# Altium PCB [Ref] STM32H743XIH6_SOM_Bd.PcbDoc (part 2 of 3)
Units mm, origin at the board's own origin, x right, y up, seen from the top; angles counter-clockwise.
Board outline 45 x 69.6 mm, 8 copper layers (L1 (Sig), L2 (GND), L3 (PWR), L4 (Sig), L5 (GND), L6 (Sig), L7 (GND), L8 (Sig)), stack 1.178 mm thick; 147 components, 165 nets, 926 pads, 711 vias.
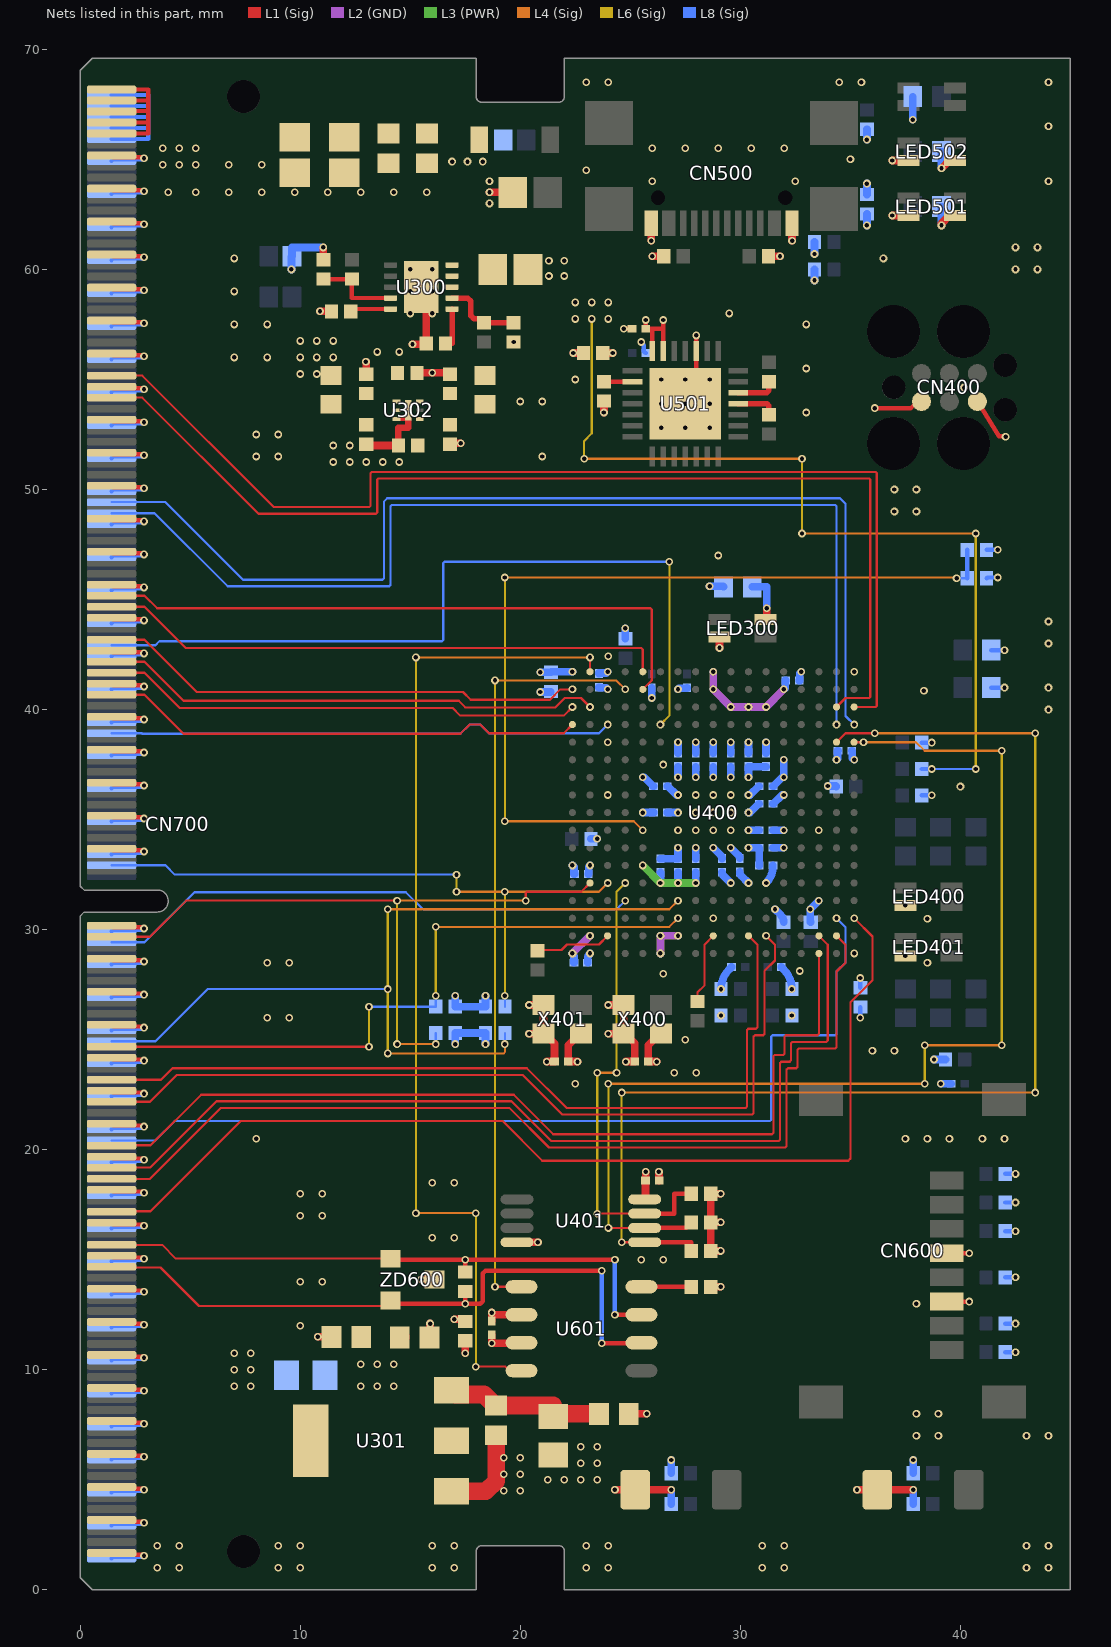
[diagram p8: the nets of this part, all layers, seen from the top]

## Part data
C300 C301 C700 C701: library part CAP_22uF/25V/2012, "Ceramic CAP_22uF/25V/2012", JLCPCB Part Type="Basic Part", LCSC Part #=C45783
C302 C305: library part CAP_10uF/10V/1608, "Ceramic CAP_10uF/10V/1608", JLCPCB Part Type="Basic Part", LCSC Part #=C19702
C303 C304 C702: library part CAP_100nF/50V/1608, "Ceramic CAP_100nF/50V/1608", JLCPCB Part Type="Basic Part", LCSC Part #=C14663
C306 C307 C308 C311 C312 C402 C403 C500: library part CAP_100nF/16V/1005, "Ceramic CAP_100nF/16V/1005", JLCPCB Part Type="Basic Part", LCSC Part #=C1525
C309 C310 C313 C314 C504 C600 C620 C634: library part CAP_1uF/25V/1005, "Ceramic CAP_1uF/25V/1005", JLCPCB Part Type="Basic Part", LCSC Part #=C52923
C400 C401 C405 C502 C505 C601 C602 C603 C604 C606 C607 C608 C609 C610 C611 C612 C613 C614 C615 C616 C621 C622 C623 C624 C625 C626 C627 C628 C629 C630 C631 C632 C633 C635: library part CAP_100nF/25V/0603, "Ceramic CAP_100nF/25V/0603", JLCPCB Part Type="Extended Part", LCSC Part #=C181047
C404 C501 C503 C605: library part CAP_4.7uF/10V/1005, "10V 4.7uF X5R ±20% 0402  Multilayer Ceramic Capacitors MLCC - SMD/SMT ROHS", JLCPCB Part Type="Basic Part", LCSC Part #=C23733
C617 C618 C619: library part CAP_2.2uF/6.3V/1005, "Ceramic CAP_2.2uF/6.3V/1005", JLCPCB Part Type="Basic Part", LCSC Part #=C12530
C703: library part CAP_10uF/25V/1608, "Ceramic CAP_10uF/25V/1608", JLCPCB Part Type="Basic Part", LCSC Part #=C96446
CN400: library part CON_TC2030-IDC, "Tag-Connect No-Solder SWD Debug Connector DO NOT PLACE", Manufacturer=Tag-Connect, Manufacturer Part Number=TC2030
CN500: library part CON_USB-Type-C, "USB 2.0 5A 1 Surface Mount 16 Female -35℃~+75℃ Type-C SMD  USB Connectors ROHS", JLCPCB Part Type="Extended Part", LCSC Part #=C2977718
CN600: library part CON_MICRO-SD_Socket_TF-102-15, "-25℃~+85℃ 1.6mm Gold Deck MicroSD card (TF card) 260℃ Phosphor coppe Clamshell SMD  SD Card Connectors ROHS", JLCPCB Part Type="Extended Part", LCSC Part #=C266609
CN700: library part CON_EDGE-CONNECTOR_DDR4-SODIMM-260P, "EDGE-CONNECTOR_DDR4-SODIMM-260P", Mating Part Number=2309409-1
D300: library part DIO_B5819W, "40V 600mV@1A 1A SOD-123  Schottky Barrier Diodes (SBD) ROHS", JLCPCB Part Type="Basic Part", LCSC Part #=C8598
LED300 LED500: library part LED_MHT170RGBCT(GREEN), "Colorless transparence -30℃~+85℃ Positive post Common anode RGB 120° 0805  Light Emitting Diodes (LED) ROHS", JLCPCB Part Type="Extended Part", LCSC Part #=C2962094
LED400 LED401: library part LED_RGB_MHT170RGBCT, "Colorless transparence -30℃~+85℃ Positive post Common anode RGB 120° 0805  Light Emitting Diodes (LED) ROHS", JLCPCB Part Type="Extended Part", LCSC Part #=C2962094
LED501 LED502: library part LED_MHT170RGBCT(BLUE), "Colorless transparence -30℃~+85℃ Positive post Common anode RGB 120° 0805  Light Emitting Diodes (LED) ROHS", JLCPCB Part Type="Extended Part", LCSC Part #=C2962094
R300 R406 R407: library part RES_100K/1005/62.5mW, "RES_100K/1005/62.5mW", JLCPCB Part Type="Basic Part", LCSC Part #=C25741, Power Rating=62.5mW, Precision=1%, Size=1005
R301 R401 R601 R605 R606 R607 R608 R609 R610: library part RES_10K/1005/62.5mW, "RES_10K/1005/62.5mW", JLCPCB Part Type="Basic Part", LCSC Part #=C25744, Power Rating=62.5mW, Precision=1%, Size=1005
R302 R411 R412 R413 R504 R700 R701 R702 R703: library part RES_4.7K/1005/62.5mW, "RES_4.7K/1005/62.5mW", JLCPCB Part Type="Basic Part", LCSC Part #=C25900, Power Rating=62.5mW, Precision=1%, Size=1005
R303 R304: library part RES_0R/1608/0.1W, "RES_0R/1608/0.1W", JLCPCB Part Type="Basic Part", LCSC Part #=C21189, Power Rating=0.1W, Precision=1%, Size=1608
R305 R505 R506: library part RES_680R/1608/0.1W, "RES_680R/1608/0.1W", JLCPCB Part Type="Basic Part", LCSC Part #=C23228, Power Rating=0.1W, Precision=1%, Size=1608
R306: library part RES_0R/2012/0.125W, "RES_0R/2012/0.125W", JLCPCB Part Type="Basic Part", LCSC Part #=C17477, Power Rating=0.125W, Precision=1%, Size=2012
R307: library part RES_NC_0R/2012/0.125W, "0R/2012/0.125W/NC", Power Rating=0.1W, Precision=1%, Size=1608
R400 R402 R403 R507 R508 R603 R604 R613 R614: library part RES_0R/1005/62.5mW, "RES_0R/1005/62.5mW", JLCPCB Part Type="Basic Part", LCSC Part #=C17168, Power Rating=62.5mW, Precision=1%, Size=1005
R404: library part RES_10K/1608/0.1W, "RES_10K/1608/0.1W", JLCPCB Part Type="Basic Part", LCSC Part #=C25804, Power Rating=0.1W, Precision=1%, Size=1608
R405: library part RES_NC_0R/1608/0.1W, "0R/1608/0.1W/NC", Power Rating=0.1W, Precision=1%, Size=1608
R408 R409 R410 R414 R415 R416: library part RES_470R/1608/0.1W, "RES_470R/1608/0.1W", JLCPCB Part Type="Basic Part", LCSC Part #=C23179, Power Rating=0.1W, Precision=1%, Size=1608
R500 R501: library part RES_5.1K/1005/62.5mW, "RES_5.1K/1005/62.5mW", JLCPCB Part Type="Basic Part", LCSC Part #=C25905, Power Rating=62.5mW, Precision=1%, Size=1005
R502 R615: library part RES_1M/1005/62.5mW, "RES_1M/1005/62.5mW", JLCPCB Part Type="Basic Part", LCSC Part #=C26083, Power Rating=62.5mW, Precision=1%, Size=1005
R503: library part RES_1K/1608/0.1W, "RES_1K/1608/0.1W", JLCPCB Part Type="Basic Part", LCSC Part #=C21190, Power Rating=0.1W, Precision=1%, Size=1608
R600: library part RES_120R/1005/62.5mW, "RES_120R/1005/62.5mW", JLCPCB Part Type="Basic Part", LCSC Part #=C25079, Power Rating=62.5mW, Precision=1%, Size=1005
R602 R611 R612: library part RES_NC_0R/1005/62.5mW, "RES_0R/1005/62.5mW/NC", Power Rating=62.5mW, Precision=1%, Size=1005
SB300 SB301 SB302: library part SB_Solder-Bridge, "SB_Solder-Bridge"
SW400 SW401: library part SW_TS-1088-AR02016, "NO 50mA 100MΩ 100000 Times 12V 160gf@±50gf Brick nogging SPST SMD  Tactile Switches ROHS", JLCPCB Part Type="Extended Part", LCSC Part #=C720477
U300: library part IC_eFUSE_LS1205EVD33, "18V, 5A eFuse with Programmable Current Limit and Output Voltage Clamp, 10-DFN (3x3)"
U301: library part IC_REG_AMS1117-3.3, "72dB@(120Hz) 1A 1.3V@(800mA) Fixed 3.3V~3.3V Positive 1 SOT-223  Linear Voltage Regulators (LDO) ROHS", JLCPCB Part Type="Basic Part", LCSC Part #=C6186
U302: library part IC_REG_MIC5528-3.3YMT-TR, "Linear Voltage Regulator IC Positive Fixed 1 Output 500mA 6-TDFN (1.2x1.2)", JLCPCB Part Type="Extended Part", LCSC Part #=C622490
U400: library part IC_MCU_STM32H743XIH6, "ARM® Cortex®-M7 STM32H7 MCU IC 32bit Single-core 480MHz 2MB(2M x 8) Flash 240+25-TFBGA(14x14)", JLCPCB Part Type="Extended Part", LCSC Part #=C114407
U401: library part IC_EEPROM_AT24C16, "IC EEPROM 16KBIT I2C 1MHZ 8TSSOP", JLCPCB Part Type="Extended Part", LCSC Part #=C112954
U501: library part IC_USB_CP2102, "Transceiver 1Mbps USB 1/1 QFN-28_5x5x05P  USB ICs ROHS", JLCPCB Part Type="Basic Part", LCSC Part #=C6568
U601: library part IC_CAN_SN65HVD230DR, "IC TRANSCEIVER HALF 1/1 8SOIC", JLCPCB Part Type="Basic Part", LCSC Part #=C12084
X400: library part OSC_S2D12.000000B20F30T(12MHz), "3.3V~3.3V -40℃~+85℃ 20mA ±20ppm 12MHz SMD2520-4P  Oscillators ROHS", JLCPCB Part Type="Extended Part", LCSC Part #=C387449
X401: library part OSC_S2D32.768KB20F30T(32.768kHz), "3.3V ±20ppm CMOS 32.768kHz SMD2520-4P  Oscillators ROHS", JLCPCB Part Type="Extended Part", LCSC Part #=C387463
ZD600: library part DIO_TVS_NUP2105L, "SOT-23 ESD PROTECTION DEVICES RO", JLCPCB Part Type="Extended Part", LCSC Part #=C5158054

## Via types
v1: diameter 0.35, hole 0.2, L1 (Sig) to L8 (Sig), tented both sides, 702 vias
v2: diameter 0.5, hole 0.2, L1 (Sig) to L8 (Sig), 9 vias

## Nets (pads, with @x,y where several pads share a name; then routed paths per layer and width w, separated by ;. In a path a pad name is that pad's centre, name@x,y a point inside that pad or via, vN(x,y) a via of type N, cw(c..) or ccw(c..) an arc to the next point about the centre after c; other vN are vias at no path point)
CAN_H: CN700.203 R600.2 U601.7 ZD600.1 | length 27.4
  L1 (Sig) w0.1: CN700.203@1.425,15.675 3.725,15.675 4.35,15.05 ZD600.1@14.1,15.05
  L1 (Sig) w0.2: ZD600.1@14.1,15.05 14.45,15 v1(17.5,15) ; R600.2@17.5,14.44 v1(17.5,15) ; v1(24.3,12.5) U601.7@25.505,12.5 ; v1(24.3,15) v1(17.5,15)
  L8 (Sig) w0.2: v1(24.3,12.5) v1(24.3,15)
CAN_L: CN700.207 R600.1 U601.6 ZD600.2 | length 30.2
  L1 (Sig) w0.1: CN700.207@1.452,14.648 3.652,14.648 5.4,12.9 13.85,12.9 ZD600.2@14.1,13.15
  L1 (Sig) w0.2: CN700.207@1.425,14.675 CN700.207@1.452,14.648 ; ZD600.2@14.1,13.15 14.45,13 v1(17.5,13) ; R600.1@17.5,13.56 v1(17.5,13) ; v1(23.7,11.2) 25.505,11.2 U601.6@25.505,11.23 ; v1(23.7,14.5) 18.417,14.5 18.3,14.383 18.3,13.117 18.183,13 v1(17.5,13)
  L8 (Sig) w0.2: v1(23.7,11.2) v1(23.7,14.5)
CAN_RS: R601.2 U601.8 | length 2.3
  L1 (Sig) w0.2: U601.8@25.505,13.77 R601.2@27.77,13.77
CP2102_RST: R504.2 U501.9 | length 1.3
  L1 (Sig) w0.2: R504.2@23.8,54.9 U501.9@25.1,54.9
CP2102_RXD: R508.1 U501.25 | length 1.8
  L1 (Sig) w0.25: U501.25@29.9,53.9 31.2,53.9 31.3,53.8 R508.1@31.3,53.4
CP2102_RXD_LED: LED502.3 R506.2 | length 1.5
  L1 (Sig) w0.35: v1(39.138,64.6) 39.15,64.6 39.5,64.95 LED502.3@39.75,64.95
  L8 (Sig) w0.35: v1(39.138,64.6) R506.2@39.138,65.35
CP2102_TXD: R507.1 U501.26 | length 1.8
  L1 (Sig) w0.25: U501.26@29.9,54.4 31.2,54.4 31.3,54.5 R507.1@31.3,54.9
CP2102_TXD_LED: LED501.3 R505.2 | length 1.7
  L1 (Sig) w0.35: v1(39.138,62) 39.138,62.088 39.5,62.45 LED501.3@39.75,62.45
  L8 (Sig) w0.35: v1(39.138,62) R505.2@39.138,62.85
DGND: C300.1 C301.1 C302.1 C303.1 C304.1 C305.1 C306.1 C307.1 C308.1 C309.1 C310.1 C311.1 C312.1 C313.1 C314.1 C400.2 C401.2 C402.1 C403.1 C404.1 C405.2 C500.1 C501.1 C502.2 C503.1 C504.2 C505.1 C600.2 C601.1 C602.2 C603.1 C604.1 C605.1 C606.1 C607.1 C608.1 C609.1 C610.1 C611.1 C612.1 C613.1 C614.1 C615.1 C616.1 C617.2 C618.2 C619.2 C620.2 C621.1 C622.1 C623.1 C624.1 C625.1 C626.1 C627.1 C628.1 C629.1 C630.1 C631.1 C632.1 C633.1 C634.2 C635.1 C700.1 C701.1 C702.1 C703.1 CN400.5 CN500.A1 CN500.B1 CN600.6 CN700.2 CN700.4 CN700.6 CN700.8 CN700.10 CN700.13 CN700.14 CN700.19 CN700.20 CN700.25 CN700.26 CN700.31 CN700.32 CN700.37 CN700.38 CN700.43 CN700.44 CN700.49 CN700.50 CN700.55 CN700.56 CN700.61 CN700.62 CN700.67 CN700.68 CN700.73 CN700.74 CN700.79 CN700.80 CN700.85 CN700.86 CN700.91 CN700.92 CN700.97 CN700.98 CN700.103 CN700.104 CN700.109 CN700.110 CN700.115 CN700.116 CN700.121 CN700.122 CN700.127 CN700.128 CN700.133 CN700.134 CN700.139 CN700.140 CN700.145 CN700.146 CN700.151 CN700.152 CN700.157 CN700.158 CN700.163 CN700.164 CN700.169 CN700.170 CN700.175 CN700.176 CN700.181 CN700.182 CN700.187 CN700.188 CN700.193 CN700.194 CN700.199 CN700.200 CN700.205 CN700.206 CN700.211 CN700.212 CN700.217 CN700.218 CN700.223 CN700.224 CN700.229 CN700.230 CN700.235 CN700.236 CN700.241 CN700.242 CN700.247 CN700.248 CN700.253 CN700.254 CN700.259 CN700.260 R302.1 R305.2 R403.1 R405.2 R500.1 R501.1 R502.2 R503.2 R601.1 R613.1 R614.1 R615.1 SB301.2 SW400.2 SW401.2 U300.11 U301.1 U302.3 U302.7 U400.A1 U400.A17 U400.B2 U400.B6 U400.C10 U400.C13 U400.C16 U400.F1 U400.F2 U400.G2 U400.G7 U400.G8 U400.G9 U400.G10 U400.G11 U400.G16 U400.H7 U400.H8 U400.H9 U400.H10 U400.H11 U400.J3 U400.J7 U400.J8 U400.J9 U400.J10 U400.J11 U400.J16 U400.J17 U400.K7 U400.K8 U400.K9 U400.K10 U400.K11 U400.K15 U400.L7 U400.L8 U400.L9 U400.L10 U400.L11 U400.L15 U400.M15 U400.N16 U400.R4 U400.R8 U400.T12 U400.U1 U400.U17 U401.4 U501.3 U501.29 U601.2 X400.2 X401.2 ZD600.3 | length 219.9
  L1 (Sig) w0.18: U302.3@14.375,53.2 14.9,53.2 U302.7@14.9,53.6
  L1 (Sig) w0.2: CN700.259@1.425,1.675 1.5,1.6 2.809,1.6 2.859,1.55 v1(2.9,1.55) ; CN700.253@1.425,3.175 1.5,3.1 2.809,3.1 2.859,3.05 v1(2.9,3.05) ; CN700.247@1.425,4.675 1.5,4.6 2.809,4.6 2.859,4.55 v1(2.9,4.55) ; CN700.241@1.425,6.175 1.5,6.1 2.809,6.1 2.859,6.05 v1(2.9,6.05) ; CN700.235@1.425,7.675 1.5,7.6 2.809,7.6 2.859,7.55 v1(2.9,7.55) ; CN700.229@1.425,9.175 1.5,9.1 2.809,9.1 2.859,9.05 v1(2.9,9.05) ; CN700.223@1.425,10.675 1.5,10.6 2.809,10.6 2.859,10.55 v1(2.9,10.55) ; CN700.217@1.425,12.175 1.5,12.1 2.809,12.1 2.859,12.05 v1(2.9,12.05) ; CN700.211@1.425,13.675 1.5,13.6 2.809,13.6 2.859,13.55 v1(2.9,13.55) ; CN700.205@1.425,15.175 1.5,15.1 2.809,15.1 2.859,15.05 v1(2.9,15.05) ; CN700.199@1.425,16.675 1.5,16.6 2.809,16.6 2.859,16.55 v1(2.9,16.55) ; CN700.193@1.425,18.175 1.5,18.1 2.809,18.1 2.859,18.05 v1(2.9,18.05) ; CN700.187@1.425,19.675 1.5,19.6 2.809,19.6 2.859,19.55 v1(2.9,19.55) ; CN700.181@1.425,21.175 1.5,21.1 2.809,21.1 2.859,21.05 v1(2.9,21.05) ; CN700.175@1.425,22.675 1.5,22.6 2.809,22.6 2.859,22.55 v1(2.9,22.55) ; CN700.169@1.425,24.175 1.5,24.1 2.809,24.1 2.859,24.05 v1(2.9,24.05) ; CN700.163@1.425,25.675 1.5,25.6 2.809,25.6 2.859,25.55 v1(2.9,25.55) ; CN700.157@1.425,27.175 1.5,27.1 2.809,27.1 2.859,27.05 v1(2.9,27.05) ; CN700.151@1.425,28.675 1.5,28.6 2.809,28.6 2.859,28.55 v1(2.9,28.55) ; CN700.145@1.425,30.175 1.5,30.1 2.809,30.1 2.859,30.05 v1(2.9,30.05) ; CN700.139@1.425,33.675 1.5,33.6 2.809,33.6 2.859,33.55 v1(2.9,33.55) ; CN700.133@1.425,35.175 1.5,35.1 2.809,35.1 2.859,35.05 v1(2.9,35.05) ; CN700.127@1.425,36.675 1.5,36.6 2.809,36.6 2.859,36.55 v1(2.9,36.55) ; CN700.121@1.425,38.175 1.5,38.1 2.809,38.1 2.859,38.05 v1(2.9,38.05) ; CN700.115@1.425,39.675 1.5,39.6 2.809,39.6 2.859,39.55 v1(2.9,39.55) ; CN700.109@1.425,41.175 1.5,41.1 2.809,41.1 2.859,41.05 v1(2.9,41.05) ; CN700.103@1.425,42.675 1.5,42.6 2.809,42.6 2.859,42.55 v1(2.9,42.55) ; CN700.97@1.425,44.175 1.5,44.1 2.809,44.1 2.859,44.05 v1(2.9,44.05) ; CN700.91@1.425,45.675 1.5,45.6 2.809,45.6 2.859,45.55 v1(2.9,45.55) ; CN700.85@1.425,47.175 1.5,47.1 2.809,47.1 2.859,47.05 v1(2.9,47.05) ; CN700.79@1.425,48.675 1.5,48.6 2.809,48.6 2.859,48.55 v1(2.9,48.55) ; CN700.73@1.425,50.175 1.5,50.1 2.809,50.1 2.859,50.05 v1(2.9,50.05) ; CN700.67@1.425,51.675 1.5,51.6 2.809,51.6 2.859,51.55 v1(2.9,51.55) ; CN700.61@1.425,53.175 1.5,53.1 2.809,53.1 2.859,53.05 v1(2.9,53.05) ; CN700.55@1.425,54.675 1.5,54.6 2.809,54.6 2.859,54.55 v1(2.9,54.55) ; CN700.49@1.425,56.175 1.5,56.1 2.809,56.1 2.859,56.05 v1(2.9,56.05) ; CN700.43@1.425,57.675 1.5,57.6 2.809,57.6 2.859,57.55 v1(2.9,57.55) ; CN700.37@1.425,59.175 1.5,59.1 2.809,59.1 2.859,59.05 v1(2.9,59.05) ; CN700.31@1.425,60.675 1.5,60.6 2.809,60.6 2.859,60.55 v1(2.9,60.55) ; CN700.25@1.425,62.175 1.5,62.1 2.809,62.1 2.859,62.05 v1(2.9,62.05) ; CN700.19@1.425,63.675 1.5,63.6 2.809,63.6 2.859,63.55 v1(2.9,63.55) ; CN700.13@1.425,65.175 1.5,65.1 2.809,65.1 2.859,65.05 v1(2.9,65.05) ; v1(24.7,57.3) C505.1@25.08,57.3 ; v2(27.5,53.9) 28,53.9 U501.3@28,56.3 v1(28,57) ; CN600.6@39.375,13.1 v1(40.4,13.1) ; CN400.5@40.77,54 41.752,52.416 42.034,52.416 v1(42.05,52.4)
  L1 (Sig) w0.3: C311.1@14.46,52 14.46,52.8 14.9,52.8 U302.7@14.9,53.2
  L1 (Sig) w0.35: v1(10.8,11.5) C304.1@11.425,11.5 ; v1(10.9,58.1) 11.401,58.1 R302.1@11.418,58.083 ; C306.1@11.05,60.44 v1(11.05,61) ; v1(12.985,55.8) 13,55.8 C313.1@13,55.24 ; C314.1@13,52.06 13,52 C311.1@14.46,52 ; v1(15.1,56.6) 15.723,56.6 C308.1@15.723,56.64 15.723,59.2 U300.11@15.5,59.2 ; C312.1@15.3,55.3 v1(16,55.3) 16.8,55.3 C310.1@16.8,55.24 ; v1(15.5,14.1) ZD600.3@16.1,14.1 ; C305.1@15.875,11.475 15.9,11.5 v1(15.9,12.1) ; C309.1@16.8,52.06 16.84,52.1 v1(17.3,52.1) ; v1(17,12.3) 17.4,12.3 C600.2@17.5,12.2 ; v1(18.6,63.5) C300.1@19.65,63.5 ; C601.1@18.7,12.21 v1@18.7,12.5 ; v1(18.7,12.6) v1@18.7,12.5 ; U401.4@19.85,15.795 v1(20.8,15.795) ; U601.2@20.055,12.5 v1@18.7,12.5 ; v1(22.4,56.2) C504.2@22.868,56.2 ; v1(22.6,24) 22.593,24.007 C401.2@22.177,24.007 22.177,24.752 22.7,25.275 X401.2@22.75,25.275 ; v1(24.3,4.55) SW400.2@25.225,4.55 v1(26.86,4.55) ; C302.1@24.925,8 v1(25.75,8) ; v1(25.95,61.3) CN500.B1@25.95,62.1 ; v1(26,60.6) R500.1@26.52,60.6 ; v1(26.2,24) 26.193,24.007 C400.2@25.817,24.007 25.817,24.742 26.35,25.275 X400.2@26.4,25.275 ; v1(26.3,19) 26.3,18.6 C405.2@26.31,18.6 ; R601.1@28.65,13.77 v1(29.1,13.77) ; R501.1@31.28,60.6 v1(31.8,60.6) ; v1(32.35,61.3) CN500.A1@32.35,62.1 ; v1(35.3,4.55) SW401.2@36.225,4.55 v1(37.86,4.55)
  L1 (Sig) w0.8: U301.1@16.875,4.475 18.431,4.475 18.9,4.944 C303.1@18.9,7.025
  L2 (GND) w0.35: v1(22.368,28.918) v1(23.168,29.718) ; v1(26.368,28.918) v1(26.368,29.718) v1(27.168,29.718) ; v1(28.768,41.718) v1(28.768,40.918) v1(29.568,40.118) v1(30.368,40.118) v1(31.168,40.118) v1(31.968,40.918)
  L8 (Sig) w0.2: CN700.260@1.425,1.425 1.5,1.5 2.809,1.5 2.859,1.55 v1(2.9,1.55) ; CN700.254@1.425,2.925 1.5,3 2.809,3 2.859,3.05 v1(2.9,3.05) ; CN700.248@1.425,4.425 1.5,4.5 2.809,4.5 2.859,4.55 v1(2.9,4.55) ; CN700.242@1.425,5.925 1.5,6 2.809,6 2.859,6.05 v1(2.9,6.05) ; CN700.236@1.425,7.425 1.5,7.5 2.809,7.5 2.859,7.55 v1(2.9,7.55) ; CN700.230@1.425,8.925 1.5,9 2.809,9 2.859,9.05 v1(2.9,9.05) ; CN700.224@1.425,10.425 1.5,10.5 2.809,10.5 2.859,10.55 v1(2.9,10.55) ; CN700.218@1.425,11.925 1.5,12 2.809,12 2.859,12.05 v1(2.9,12.05) ; CN700.212@1.425,13.425 1.5,13.5 2.809,13.5 2.859,13.55 v1(2.9,13.55) ; CN700.206@1.425,14.925 1.5,15 2.809,15 2.859,15.05 v1(2.9,15.05) ; CN700.200@1.425,16.425 1.5,16.5 2.809,16.5 2.859,16.55 v1(2.9,16.55) ; CN700.194@1.425,17.925 1.5,18 2.809,18 2.859,18.05 v1(2.9,18.05) ; CN700.188@1.425,19.425 1.5,19.5 2.809,19.5 2.859,19.55 v1(2.9,19.55) ; CN700.182@1.425,20.925 1.5,21 2.809,21 2.859,21.05 v1(2.9,21.05) ; CN700.176@1.425,22.425 1.5,22.5 2.809,22.5 2.859,22.55 v1(2.9,22.55) ; CN700.170@1.425,23.925 1.5,24 2.809,24 2.859,24.05 v1(2.9,24.05) ; CN700.164@1.425,25.425 1.5,25.5 2.809,25.5 2.859,25.55 v1(2.9,25.55) ; CN700.158@1.425,26.925 1.5,27 2.809,27 2.859,27.05 v1(2.9,27.05) ; CN700.152@1.425,28.425 1.5,28.5 2.809,28.5 2.859,28.55 v1(2.9,28.55) ; CN700.146@1.425,29.925 1.5,30 2.809,30 2.859,30.05 v1(2.9,30.05) ; CN700.140@1.425,33.425 1.5,33.5 2.809,33.5 2.859,33.55 v1(2.9,33.55) ; CN700.134@1.425,34.925 1.5,35 2.809,35 2.859,35.05 v1(2.9,35.05) ; CN700.128@1.425,36.425 1.5,36.5 2.809,36.5 2.859,36.55 v1(2.9,36.55) ; CN700.122@1.425,37.925 1.5,38 2.809,38 2.859,38.05 v1(2.9,38.05) ; CN700.116@1.425,39.425 1.5,39.5 2.809,39.5 2.859,39.55 v1(2.9,39.55) ; CN700.110@1.425,40.925 1.5,41 2.809,41 2.859,41.05 v1(2.9,41.05) ; CN700.104@1.425,42.425 1.5,42.5 2.809,42.5 2.859,42.55 v1(2.9,42.55) ; CN700.98@1.425,43.925 1.5,44 2.809,44 2.859,44.05 v1(2.9,44.05) ; CN700.92@1.425,45.425 1.5,45.5 2.809,45.5 2.859,45.55 v1(2.9,45.55) ; CN700.86@1.425,46.925 1.5,47 2.809,47 2.859,47.05 v1(2.9,47.05) ; CN700.80@1.425,48.425 1.5,48.5 2.809,48.5 2.859,48.55 v1(2.9,48.55) ; CN700.74@1.425,49.925 1.5,50 2.809,50 2.859,50.05 v1(2.9,50.05) ; CN700.68@1.425,51.425 1.5,51.5 2.809,51.5 2.859,51.55 v1(2.9,51.55) ; CN700.62@1.425,52.925 1.5,53 2.809,53 2.859,53.05 v1(2.9,53.05) ; CN700.56@1.425,54.425 1.5,54.5 2.809,54.5 2.859,54.55 v1(2.9,54.55) ; CN700.50@1.425,55.925 1.5,56 2.809,56 2.859,56.05 v1(2.9,56.05) ; CN700.44@1.425,57.425 1.5,57.5 2.809,57.5 2.859,57.55 v1(2.9,57.55) ; CN700.38@1.425,58.925 1.5,59 2.809,59 2.859,59.05 v1(2.9,59.05) ; CN700.32@1.425,60.425 1.5,60.5 2.809,60.5 2.859,60.55 v1(2.9,60.55) ; CN700.26@1.425,61.925 1.5,62 2.809,62 2.859,62.05 v1(2.9,62.05) ; CN700.20@1.425,63.425 1.5,63.5 2.809,63.5 2.859,63.55 v1(2.9,63.55) ; CN700.14@1.425,64.925 1.5,65 2.809,65 2.859,65.05 v1(2.9,65.05) ; CN700.10@1.425,65.925 3.1,65.925 3.1,66.425 ; CN700.8@1.425,66.425 3.1,66.425 ; CN700.6@1.425,66.925 3.1,66.925 ; CN700.4@1.425,67.425 3.1,67.425 ; CN700.2@1.425,67.925 3.1,67.925 3.1,67.425 ; v1(25.5,56.7) 25.5,56.659 25.61,56.549 25.61,56.275 25.685,56.2 C502.2@25.71,56.2 ; v1(35.45,26) C404.1@35.45,26.48 ; R403.1@41.19,45.966 41.224,46 v1(41.7,46) ; R405.2@41.4,41 v1(42,41) ; 3.1,66.425 3.1,66.925 ; 3.1,66.925 3.1,67.425
  L8 (Sig) w0.35: v1(9.6,60) 9.6,60.575 SB301.2@9.625,60.6 9.625,61 v1(11.05,61) ; v1(20.9,41.7) C605.1@21.4,41.7 21.418,41.718 v1(22.368,41.718) ; v1(22.368,28.918) cw(c22.195,28.745) 22.44,28.745 C631.1@22.44,28.5 ; C628.1@23.085,32.525 23.11,32.525 23.11,32.86 v1(23.168,32.918) ; C617.2@23.215,34.125 v1(23.49,34.125) ; C632.1@23.575,41.015 23.575,40.99 23.896,40.99 v1(23.968,40.918) ; C618.2@24.775,43.215 v1(24.775,43.7) ; v1(25.975,40.525) C604.1@25.975,40.99 ; C609.1@26.368,33.218 27.144,33.218 ccw(c27.144,33.252) C610.1@27.168,33.228 v1(27.168,33.718) ; C606.1@26.678,35.318 v1(27.168,35.318) ; C607.1@26.678,36.518 26.703,36.518 27.103,36.118 v1(27.168,36.118) ; C402.1@26.86,3.9 v1(26.86,4.55) ; v1(27.168,36.918) C608.1@27.168,37.408 ; v1(27.168,40.918) 27.215,40.965 27.575,40.965 C603.1@27.575,40.99 ; C611.1@27.968,33.228 v1(27.968,33.718) ; v1(27.968,36.918) C616.1@27.968,37.408 ; v1(28.6,45.6) 29.213,45.6 R305.2@29.238,45.575 ; v1(28.768,33.718) 29.105,33.382 cw(c28.951,33.228) C630.1@29.168,33.228 ; v1(28.768,36.918) C615.1@28.768,37.408 ; v1(29.12,27.3) cw(c30.375,27.3) 29.488,28.188 C621.1@29.6,28.3 ; v1(29.568,33.718) 29.912,33.375 cw(c29.775,33.238) C629.1@29.968,33.238 ; v1(29.568,36.918) C613.1@29.568,37.398 ; v1(30.368,33.718) C625.1@30.858,33.718 C626.1@30.858,32.918 ; v1(30.368,34.518) C624.1@30.858,34.518 ; v1(30.368,35.318) 30.433,35.318 30.833,35.718 C622.1@30.858,35.718 ; v1(30.368,36.118) 30.433,36.118 30.833,36.518 C623.1@30.858,36.518 ; v1(30.368,36.918) C614.1@30.368,37.408 C612.1@31.168,37.408 ; v1(31.575,30.925) 31.833,30.667 cw(c31.505,30.34) R614.1@31.968,30.34 ; C635.1@31.86,28.3 31.972,28.188 cw(c31.085,27.3) v1(32.34,27.3) ; v1(31.968,40.918) 32.033,40.983 32.033,41.318 C627.1@32.058,41.318 ; R613.1@33.2,30.34 cw(c33.26,30.4) 33.175,30.4 v1(33.175,30.925) v1(33.568,31.318) ; v1(33.37,59.5) C500.1@33.37,60 ; v1(33.37,60.7) R502.2@33.37,61.25 ; v1(33.975,36.525) 34.335,36.525 C619.2@34.36,36.5 ; v1(34.368,37.718) 34.415,37.765 34.415,38.125 C633.1@34.44,38.125 ; C503.1@35.75,63.4 v1(35.75,63.9) ; v1(35.75,65.9) C501.1@35.75,66.37 ; v1(37.838,66.8) R503.2@37.838,67.85 ; C403.1@37.86,3.9 v1(37.86,4.55) ; v1(38.8,24.1) R615.1@39.32,24.1 ; v1(39.1,23) C602.2@39.58,23
  other v1: 3.5,1 4.5,1 9,1 10,1 16,1 17,1 23,1 24,1 31,1 32,1 43,1 44,1 3.5,2 4.5,2 9,2 10,2 16,2 17,2 23,2 24,2 31,2 32,2 43,2 44,2 19.25,4.5 20,4.5 19.25,5.25 20,5.25 19.25,6 20,6 38,7 39,7 43,7 44,7 38,8 39,8 10,12 38,13 10,14 11,14 25.5,15 26.5,15 16,16 17,16 10,17 11,17 10,18 11,18 16,18.5 17,18.5 8,20.5 37.5,20.5 38.5,20.5 39.5,20.5 41,20.5 42,20.5 22.5,23 27,23.5 28,23.5 36,24.5 37,24.5 27.5,25 8.5,26 9.5,26 26.5,28 32.701,28.121 8.5,28.5 9.5,28.5 38.5,28.5 35.168,28.918 38.5,30.5 28.768,30.518 27.168,34.518 27.968,34.518 28.768,34.518 29.568,34.518 33.568,34.518 27.968,35.318 28.768,35.318 29.568,35.318 23.968,36.118 27.968,36.118 28.768,36.118 29.568,36.118 40,36.5 26.5,37.5 23.968,38.518 44,40 38.34,40.849 44,41 35.168,41.718 23.998,42.418 44,43 44,44 29,47 37,49 38,49 37,50 38,50 11.5,51.25 12.25,51.25 13,51.25 13.75,51.25 14.5,51.25 8,51.5 9,51.5 21,51.5 11.5,52 12.25,52 8,52.5 9,52.5 33,53.5 20,54 21,54 40.162,54.632 22.5,55 33,55.5 7,56 8.5,56 13.5,56.25 14.5,56.25 19.7,56.7 7,57.5 8.5,57.5 33,57.5 15,58 16,58 29.5,58 7,59 15,59 16,59 21.3,59.7 22,59.7 15,60 16,60 42.5,60 43.5,60 21.3,60.4 22,60.4 7,60.5 36.5,60.5 42.5,61 43.5,61 18.6,63 4,63.5 5.25,63.5 6.75,63.5 8.25,63.5 9.75,63.5 11.25,63.5 12.75,63.5 14.25,63.5 15.75,63.5 18.6,64 26,64 32.5,64 44,64 23,64.5 3.75,64.75 4.5,64.75 5.25,64.75 6.75,64.75 8.25,64.75 35,65 3.75,65.5 4.5,65.5 5.25,65.5 26,65.5 27.5,65.5 29,65.5 30.5,65.5 32,65.5 44,66.5 23,68.5 24,68.5 34.5,68.5 35.5,68.5 44,68.5
  other v2: 26.4,52.8 27.5,52.8 28.6,52.8 26.4,53.9 28.6,53.9 26.4,55 27.5,55 28.6,55
DP3.3VS: C400.1 C401.1 C404.2 C405.1 C503.2 C504.1 C505.2 C600.1 C601.2 C605.2 C606.2 C607.2 C608.2 C609.2 C610.2 C611.2 C612.2 C613.2 C614.2 C615.2 C616.2 C622.2 C623.2 C624.2 C625.2 C626.2 C627.2 C628.2 C629.2 C630.2 C631.2 C632.2 C633.2 CN400.1 CN600.4 LED300.4 LED400.4 LED401.4 LED501.4 LED502.4 R304.2 R307.2 R401.2 R404.2 R406.2 R407.2 R411.2 R412.2 R413.2 R504.1 R603.1 R604.1 R605.2 R606.2 R607.2 R608.2 R609.2 R610.2 R611.1 R612.1 R700.1 R701.1 R702.1 R703.1 U400.A6 U400.B1 U400.C17 U400.E6 U400.E9 U400.E11 U400.F5 U400.G5 U400.G13 U400.H5 U400.H13 U400.J13 U400.K5 U400.K13 U400.L5 U400.L13 U400.M5 U400.M13 U400.N7 U400.N8 U400.N10 U400.N11 U400.N12 U400.P17 U400.U12 U401.8 U501.6 U501.7 U601.3 X400.1 X400.4 X401.1 X401.4 | length 54.5
  L1 (Sig) w0.2: v1(25.7,57.7) C505.2@25.7,57.3 26,57.3 ; U501.7@26,56.3 26,57.3 ; U501.6@26.5,56.3 26.5,57.3 ; v1(26.5,57.7) 26.5,57.3 ; v1(36.1,53.7) 37.751,53.7 38.051,54 CN400.1@38.23,54 ; CN600.4@39.375,15.3 v1(40.4,15.3) ; 26,57.3 26.5,57.3
  L1 (Sig) w0.35: v1(17.5,10.75) C600.1@17.5,11.32 ; C601.2@18.7,11.59 v1(18.7,11.2) 20.055,11.2 U601.3@20.055,11.23 ; v1(20.4,25.275) X401.1@21.05,25.275 ; v1(20.4,26.575) X401.4@21.05,26.575 X401.1@21.05,25.275 ; v1(21.2,24) 21.207,24.007 C401.1@21.557,24.007 21.557,24.818 21.1,25.275 X401.1@21.05,25.275 ; C504.1@23.748,56.2 v1(24.2,56.2) ; v1(23.8,53.5) R504.1@23.8,54.02 ; v1(24,25.275) X400.1@24.7,25.275 ; v1(24,26.575) X400.4@24.7,26.575 X400.1@24.7,25.275 ; v1(24.8,24) 24.807,24.007 C400.1@25.197,24.007 25.197,24.828 24.75,25.275 X400.1@24.7,25.275 ; U401.8@25.65,17.745 25.69,17.785 C405.1@25.69,18.6 25.7,18.6 v1(25.7,19) ; v1(29.05,42.8) LED300.4@29.05,43.3 ; v1(29.1,15.4) R412.2@28.65,15.4 R411.2@28.65,16.7 ; v1(29.1,16.7) R411.2@28.65,16.7 ; v1(29.1,18) R413.2@28.65,18 R411.2@28.65,16.7 ; v1(36.9,62.45) LED501.4@37.65,62.45 ; v1(36.9,64.95) LED502.4@37.65,64.95
  L3 (PWR) w0.35: v1(25.568,32.918) v1(26.368,32.118) v1(27.168,32.118) v1(27.968,32.118)
  L8 (Sig) w0.2: C404.2@35.45,27.36 v1(35.45,27.8) ; R612.1@38.24,36.1 v1(38.7,36.1) ; R611.1@38.24,38.5 v1(38.7,38.5) ; R401.2@41.19,47.258 v1(41.7,47.258) ; R404.2@41.4,42.7 v1(42,42.7) ; R607.2@42.04,10.8 v1(42.5,10.8) ; R608.2@42.04,12.1 v1(42.5,12.1) ; R610.2@42.04,14.2 v1(42.5,14.2) ; R609.2@42.04,16.3 v1(42.5,16.3) ; R605.2@42.04,17.6 v1(42.5,17.6) ; R606.2@42.04,18.9 v1(42.5,18.9)
  L8 (Sig) w0.35: v1(17.04,24.8) R703.1@17.04,25.3 R700.1@18.42,25.3 v1(18.42,24.8) ; v1(17.04,27) R701.1@17.04,26.5 R702.1@18.42,26.5 v1(18.42,27) ; v1(20.9,40.8) C605.2@21.38,40.8 ; v1(22.368,32.918) 22.44,32.846 22.44,32.525 C628.2@22.465,32.525 ; C631.2@23.06,28.5 23.06,28.657 cw(c23.429,28.657) v1(23.168,28.918) ; C632.2@23.575,41.635 23.575,41.66 23.91,41.66 v1(23.968,41.718) ; v1(25.568,35.318) C606.2@26.058,35.318 ; v1(25.568,36.918) 25.633,36.918 26.033,36.518 C607.2@26.058,36.518 ; v1(26.368,32.118) C609.2@26.368,32.598 ; R406.2@26.86,5.3 v1(26.86,5.9) ; v1(27.168,32.118) C610.2@27.168,32.608 ; C608.2@27.168,38.028 v1(27.168,38.518) ; v1(27.968,32.118) C611.2@27.968,32.608 ; C616.2@27.968,38.028 v1(27.968,38.518) ; C615.2@28.768,38.028 v1(28.768,38.518) ; C630.2@29.168,32.608 ccw(c29.385,32.608) 29.232,32.455 v1(29.568,32.118) ; C613.2@29.568,38.018 v1(29.568,38.518) ; C629.2@29.968,32.618 ccw(c30.21,32.618) 30.039,32.447 v1(30.368,32.118) ; C614.2@30.368,38.028 v1(30.368,38.518) ; v1(31.168,32.118) ccw(c30.42,32.867) 31.478,32.867 C626.2@31.478,32.918 ; C612.2@31.168,38.028 v1(31.168,38.518) ; C625.2@31.478,33.718 v1(31.968,33.718) ; C624.2@31.478,34.518 v1(31.968,34.518) ; C622.2@31.478,35.718 31.503,35.718 31.903,36.118 v1(31.968,36.118) ; C623.2@31.478,36.518 31.503,36.518 31.903,36.918 v1(31.968,36.918) v1(31.968,37.718) ; C627.2@32.678,41.318 32.703,41.318 32.703,41.653 v1(32.768,41.718) ; C633.2@35.06,38.125 35.085,38.125 35.085,37.801 v1(35.168,37.718) ; v1(35.75,62) C503.2@35.75,62.52 ; R407.2@37.86,5.3 v1(37.86,5.9)
  other v1: 7,9.25 7.75,9.25 7,10 7.75,10 7,10.75 7.75,10.75 29.12,26.1 32.34,26.1 37.5,28.8 37.5,31.1 10,55.25 10.75,55.25 10,56 10.75,56 11.5,56 10,56.75 10.75,56.75 11.5,56.75
DP3.3VS_LED: LED300.2 R305.1 | length 2.2
  L1 (Sig) w0.35: LED300.2@31.15,44.1 31.2,44.15 v1(31.2,44.6)
  L8 (Sig) w0.35: R305.1@30.538,45.575 31.2,45.575 v1(31.2,44.6)
DP5VS: C301.2 R303.1 R306.1 R602.1 U300.8 U300.9 U300.10 | length 40.9
  L4 (Sig) w0.1: v1(22.9,51.4) v1(32.8,51.4) ; v1(32.8,48) v1(40.7,48)
  L6 (Sig) w0.1: v1(22.9,51.4) 22.9,52.2 23.25,52.55 v1(23.25,57.75) ; v1(32.8,48) v1(32.8,51.4) ; v1(40.7,37.3) v1(40.7,48)
  L8 (Sig) w0.1: v1(38.7,37.3) v1(40.7,37.3)
  L8 (Sig) w0.2: R602.1@38.24,37.3 v1(38.7,37.3)
  other v1: 21.25,5 22,5 22.75,5 23.5,5 22.75,5.75 23.5,5.75 22.75,6.5 23.5,6.5 22.5,57.75 24,57.75 22.5,58.5 23.25,58.5 24,58.5
eFuse_EN: C307.2 R300.1 U300.7 | length 3.6
  L1 (Sig) w0.25: U300.7@16.9,58.7 17.604,58.7 17.75,58.554 17.75,57.901 17.896,57.755 18.183,57.755 R300.1@18.358,57.58 C307.2@19.7,57.58
eFuse_ILIM: R302.2 U300.5 | length 1.9
  L1 (Sig) w0.2: R302.2@12.298,58.083 12.298,58.2 U300.5@14.1,58.2
eFuse_SS: C308.2 U300.6 | length 1.9
  L1 (Sig) w0.25: C308.2@16.603,56.64 16.9,56.64 U300.6@16.9,58.2
eFuse_VCP: C306.2 R301.1 U300.4 | length 3.9
  L1 (Sig) w0.2: C306.2@11.05,59.56 R301.1@12.35,59.56 12.35,58.7 U300.4@14.1,58.7
EXT_12MHZ_CLK: R400.2 U400.J2 | length 3.3
  L1 (Sig) w0.1: R400.2@28.05,26.74 28.05,27.15 28.375,27.475 28.375,29.325 U400.J2@28.768,29.718
EXT_32.768KHZ_CLK: R402.2 U400.C2 | length 3.5
  L1 (Sig) w0.1: R402.2@20.783,29.04 20.818,29.075 21.875,29.075 22.125,29.325 23.575,29.325 U400.C2@23.968,29.718
EXT_P5VS: C700.2 C701.2 C702.2 C703.2 CN700.1 CN700.3 CN700.5 CN700.7 CN700.9 D300.1 SB302.1 | length 10.4
  L1 (Sig) w0.2: CN700.9@1.425,66.175 3.1,66.175 3.1,66.675 ; CN700.7@1.425,66.675 3.1,66.675 ; CN700.5@1.425,67.175 1.425,67.2 3.1,67.2 ; CN700.3@1.425,67.675 3.1,67.675 ; CN700.1@1.425,68.175 3.1,68.175 3.1,67.675 ; 3.1,66.675 3.1,67.2 ; 3.1,67.2 3.1,67.675
  other v1: 16.9,64.9 17.6,64.9 18.3,64.9
LDO1_VIN: C309.2 C310.2 C311.2 R303.2 U302.4 U302.6
LDO1_VOUT: C312.2 C313.2 C314.2 R304.1 U302.1 U302.2
LDO2_VIN: C302.2 C303.2 R306.2 U301.3 | length 7.5
  L1 (Sig) w0.8: U301.3@16.875,9.075 17.075,8.875 18.35,8.875 18.85,8.375 C303.2@18.9,8.375 21.5,8.375 R306.2@21.5,7.875 21.775,7.997 23.525,7.997 C302.2@23.575,8
LDO2_VOUT: C304.2 C305.2 R307.1 U301.2 U301.4 | length 0
  L1 (Sig) w0.9: C305.2@14.525,11.475 C305.2@14.525,11.5
  other v1: 12.75,9.25 13.5,9.25 14.25,9.25 12.75,10.25 13.5,10.25 14.25,10.25
MCU_BOOT0: R401.1 R403.2 U400.E8 | length 39.8
  L4 (Sig) w0.1: v1(19.3,34.925) 25.161,34.925 v1(25.568,34.518) ; v1(19.3,46) 39.791,46 v1(39.825,45.966)
  L6 (Sig) w0.1: v1(19.3,34.925) v1(19.3,46)
  L8 (Sig) w0.1: v1(39.825,45.966) R403.2@40.31,45.966
  L8 (Sig) w0.2: R403.2@40.31,45.966 R401.1@40.31,47.258
MCU_DAC1_OUT1: CN700.197 U400.U3 | length 47.7
  L1 (Sig) w0.1: CN700.197@1.425,17.175 1.45,17.2 3.2,17.2 7.3,21.3 19.2,21.3 21,19.5 34.9,19.5 35,19.6 35,26.7 36,27.7 36,29.686 v1(35.168,30.518)
MCU_DAC1_OUT2: CN700.184 U400.T3 | length 42.8
  L8 (Sig) w0.1: CN700.184@1.425,20.425 3.425,20.425 4.298,21.298 31.341,21.298 31.4,21.356 31.4,25.141 31.459,25.2 34.31,25.2 34.369,25.259 34.369,28.094 34.775,28.5 34.775,30.111 v1(34.368,30.518)
MCU_EEPROM_WP: R413.1 U400.D5 U401.7 | length 21.2
  L1 (Sig) w0.1: v1(23.5,17.095) U401.7@25.65,17.095
  L1 (Sig) w0.2: U401.7@25.65,17.095 27,17.095 27,18 R413.1@27.77,18
  L4 (Sig) w0.1: v1(23.5,23.5) v1(24.375,23.5)
  L6 (Sig) w0.1: v1(23.5,17.095) v1(23.5,23.5) ; v1(24.375,23.5) 24.375,31.725 v1(24.768,32.118)
MCU_FDCAN1_RX: U400.B17 U601.4 | length 45.7
  L1 (Sig) w0.1: v1(17.982,10.143) 19.321,10.143 19.505,9.96 U601.4@20.055,9.96 ; U400.B17@23.168,41.718 v1(23.168,42.368)
  L4 (Sig) w0.1: v1(15.257,42.368) v1(23.168,42.368) ; v1(15.257,17.118) v1(17.982,17.118)
  L6 (Sig) w0.1: v1(15.257,17.118) v1(15.257,42.368) ; v1(17.982,10.143) v1(17.982,17.118)
MCU_FDCAN1_TX: U400.D16 U601.1 | length 34.8
  L1 (Sig) w0.1: v1@18.85,13.77 U601.1@20.055,13.77
  L4 (Sig) w0.1: v1(18.85,41.325) 24.361,41.325 v1(24.768,40.918)
  L6 (Sig) w0.1: v1(18.85,13.775) v1(18.85,41.325)
MCU_I2C1_SCL: CN700.147 R703.2 U400.B5 | length 31.7
  L1 (Sig) w0.1: CN700.147@1.425,29.675 3.175,29.675 4.818,31.318 v1(14.4,31.318) ; v1(20.25,31.318) 20.25,31.666 20.309,31.725 22.775,31.725 U400.B5@23.168,32.118
  L4 (Sig) w0.1: v1(14.4,24.8) v1(16.16,24.8) ; v1(14.4,31.318) v1(20.25,31.318)
  L6 (Sig) w0.1: v1(14.4,24.8) v1(14.4,31.318)
  L8 (Sig) w0.1: v1(16.16,24.8) R703.2@16.16,25.3
MCU_I2C1_SDA: CN700.142 R702.2 U400.C5 | length 28.9
  L4 (Sig) w0.1: v1(17.1,31.725) v1(19.3,31.725) 23.575,31.725 v1(23.968,32.118)
  L6 (Sig) w0.1: v1(17.1,31.725) v1(17.1,32.5) ; v1(19.3,27) v1(19.3,31.725)
  L8 (Sig) w0.1: CN700.142@1.425,32.925 3.875,32.925 4.3,32.5 v1(17.1,32.5) ; R702.2@19.3,26.5 v1(19.3,27)
MCU_I2C2_SCL: CN700.167 R701.2 U400.G3 | length 31.3
  L1 (Sig) w0.1: CN700.167@1.425,24.675 v1(13.125,24.675)
  L4 (Sig) w0.1: v1(16.16,30.125) 26.775,30.125 v1(27.168,30.518)
  L6 (Sig) w0.1: v1@13.125,24.725 v1(13.125,26.5) ; v1(16.16,27) v1(16.16,30.125)
  L8 (Sig) w0.1: v1(13.125,26.5) R701.2@16.16,26.5 v1(16.16,27)
MCU_I2C2_SDA: CN700.166 R700.2 U400.G4 | length 39.7
  L4 (Sig) w0.1: v1(13.975,24.375) 19.241,24.375 19.3,24.434 v1(19.3,24.8) ; v1(13.975,30.925) 26.775,30.925 v1(27.168,31.318)
  L6 (Sig) w0.1: v1(13.975,24.375) v1(13.975,27.3) v1(13.975,30.925)
  L8 (Sig) w0.1: CN700.166@1.425,24.925 3.425,24.925 5.8,27.3 v1(13.975,27.3) ; v1(19.3,24.8) R700.2@19.3,25.3
MCU_I2C3_SCL: R411.1 U400.U13 U401.6 | length 50.3
  L1 (Sig) w0.1: v1(24.005,16.445) U401.6@25.65,16.445 ; U400.U13@35.168,38.518 v1(35.593,38.518)
  L1 (Sig) w0.2: U401.6@25.65,16.445 27.535,16.445 27.77,16.68 R411.1@27.77,16.7
  L4 (Sig) w0.1: v1(24,23) v1(38.375,23) ; v1(35.593,38.518) 37.982,38.518 38.375,38.125 v1(41.875,38.125) ; v1(38.375,24.75) v1(41.875,24.75)
  L6 (Sig) w0.1: v1(24,23) 24.003,22.997 24.003,16.447 v1(24.005,16.445) ; v1(38.375,23) v1(38.375,24.75) ; v1(41.875,24.75) v1(41.875,38.125)
MCU_I2C3_SDA: R412.1 U400.T13 U401.5 | length 54.7
  L1 (Sig) w0.1: v1(24.605,15.795) U401.5@25.65,15.795 ; U400.T13@34.368,38.518 34.775,38.925 v1(36.1,38.925)
  L1 (Sig) w0.2: U401.5@25.65,15.795 27.77,15.795 R412.1@27.77,15.4
  L4 (Sig) w0.1: v1(24.605,22.595) v1(43.395,22.595) ; v1(36.1,38.925) v1(43.4,38.925)
  L6 (Sig) w0.1: v1(24.605,15.795) v1(24.605,22.595) ; v1(43.395,22.595) v1@43.395,38.925
MCU_I2S2_CK: CN700.107 U400.A15 | length 21.9
  L1 (Sig) w0.1: CN700.107@1.425,41.675 2.925,41.675 4.525,40.075 16.477,40.075 16.479,40.077 16.771,40.077 16.773,40.075 16.925,40.075 17.275,39.725 21.975,39.725 v1(22.368,40.118)
MCU_I2S2_MCK: CN700.102 U400.F14 | length 36.5
  L6 (Sig) w0.1: v1(26.368,39.318) 26.775,39.725 v1(26.775,46.717)
  L8 (Sig) w0.1: CN700.102@1.425,42.925 3.425,42.925 3.6,43.1 16.441,43.1 16.5,43.159 16.5,46.658 16.559,46.717 v1(26.775,46.717)
MCU_I2S2_SDI: CN700.105 U400.B15 | length 22.9
  L1 (Sig) w0.1: CN700.105@1.425,42.175 2.925,42.175 4.7,40.4 17.2,40.4 17.5,40.1 21.6,40.1 22.025,40.525 22.761,40.525 v1(23.168,40.118)
MCU_I2S2_SDO: CN700.118 U400.C14 | length 23.1
  L8 (Sig) w0.1: CN700.118@1.425,38.925 2.8,38.925 2.825,38.9 17.275,38.9 17.7,39.325 18.175,39.325 18.575,38.925 23.575,38.925 v1(23.968,39.318)
MCU_I2S2_WS: CN700.101 U400.A16 | length 22.3
  L1 (Sig) w0.1: CN700.101@1.425,43.175 2.925,43.175 5.3,40.8 17.4,40.8 17.752,40.448 21.348,40.448 21.818,40.918 v1(22.368,40.918)
MCU_I/O_PA1_C: CN700.191 U400.T2 | length 44.8
  L1 (Sig) w0.1: CN700.191@1.425,18.675 3.175,18.675 6.4,21.9 19.5,21.9 21.3,20.1 32.041,20.1 32.1,20.159 32.1,23.641 32.159,23.7 32.541,23.7 32.6,23.759 32.6,24.541 32.659,24.6 34.31,24.6 34.368,24.659 34.368,28.093 34.775,28.5 34.775,29.311 U400.T2@34.368,29.718
MCU_I/O_PA11: CN700.95 U400.E17 | length 26
  L1 (Sig) w0.1: CN700.95@1.425,44.675 2.925,44.675 4.8,42.8 25.5,42.8 25.568,42.732 U400.E17@25.568,41.718
MCU_I/O_PA12: CN700.93 U400.E16 | length 28.6
  L1 (Sig) w0.1: CN700.93@1.425,45.175 2.925,45.175 3.5,44.6 25.916,44.6 25.975,44.541 25.975,41.325 U400.E16@25.568,40.918
MCU_I/O_PA15: CN700.111 U400.A14 | length 22.2
  L1 (Sig) w0.1: CN700.111@1.425,40.675 2.925,40.675 4.7,38.9 17.275,38.9 17.7,39.325 18.175,39.325 18.575,38.925 21.975,38.925 U400.A14@22.368,39.318
MCU_I/O_PB9: CN700.148 U400.D4 | length 24.8
  L8 (Sig) w0.1: CN700.148@1.425,29.425 2.925,29.425 5.2,31.7 14.8,31.7 15.575,30.925 24.375,30.925 v1(24.768,31.318)
MCU_I/O_PB12: CN700.78 U400.T14 | length 47.9
  L8 (Sig) w0.1: CN700.78@1.425,48.925 3.375,48.925 6.7,45.6 14.042,45.6 14.101,45.659 14.101,49.241 14.159,49.3 34.31,49.3 34.368,49.241 v1(34.368,39.318)
MCU_I/O_PB13: CN700.76 U400.U14 | length 48.7
  L8 (Sig) w0.1: CN700.76@1.425,49.425 3.875,49.425 7.4,45.9 13.741,45.9 13.8,45.959 13.8,49.441 13.959,49.6 34.525,49.6 34.775,49.35 34.775,39.711 v1(35.168,39.318)
MCU_I/O_PB14: CN700.53 U400.U15 | length 50.4
  L1 (Sig) w0.1: CN700.53@1.425,55.175 2.825,55.175 8.8,49.2 13.141,49.2 13.2,49.259 13.2,50.741 13.259,50.8 36.141,50.8 36.2,50.741 36.2,40.177 36.141,40.118 U400.U15@35.168,40.118
MCU_I/O_PB15: CN700.57 U400.T15 | length 49.8
  L1 (Sig) w0.1: CN700.57@1.425,54.175 2.825,54.175 8.1,48.9 13.441,48.9 13.5,48.959 13.5,50.441 13.559,50.5 35.841,50.5 35.9,50.441 35.9,40.584 35.841,40.525 34.775,40.525 U400.T15@34.368,40.118
MCU_I/O_PC0: CN700.173 U400.L2 | length 38.2
  L1 (Sig) w0.1: CN700.173@1.425,23.175 3.675,23.175 4.2,23.7 20.3,23.7 22.1,21.9 30.241,21.9 30.3,21.959 30.3,25.441 30.359,25.5 30.716,25.5 30.775,25.559 30.775,29.311 U400.L2@30.368,29.718
MCU_I/O_PC1: CN700.177 U400.M2 | length 39.3
  L1 (Sig) w0.1: CN700.177@1.425,22.175 3.175,22.175 4.4,23.4 20.1,23.4 21.9,21.6 30.541,21.6 30.6,21.659 30.6,25.141 30.659,25.2 31.041,25.2 31.1,25.259 31.1,28.125 31.575,28.6 31.575,29.311 v1(31.168,29.718)
MCU_I/O_PC2_C: CN700.185 U400.R1 | length 41.9
  L1 (Sig) w0.1: CN700.185@1.425,20.175 1.45,20.2 3.2,20.2 5.5,22.5 19.7,22.5 21.5,20.7 31.441,20.7 31.5,20.759 31.5,24.241 31.559,24.3 31.941,24.3 32,24.359 32,25.141 32.059,25.2 33.51,25.2 33.568,25.259 U400.R1@33.568,28.918
MCU_I/O_PC3_C: CN700.189 U400.R2 | length 43.9
  L1 (Sig) w0.1: CN700.189@1.425,19.175 1.448,19.198 3.198,19.198 6.2,22.2 19.6,22.2 21.4,20.4 31.741,20.4 31.8,20.459 31.8,23.941 31.859,24 32.241,24 32.3,24.059 32.3,24.841 32.359,24.9 33.916,24.9 33.975,24.959 33.975,29.311 U400.R2@33.568,29.718